# KiCad board Panel_R0.5.1_300x300_2layer_step1.kicad_pcb (continued)
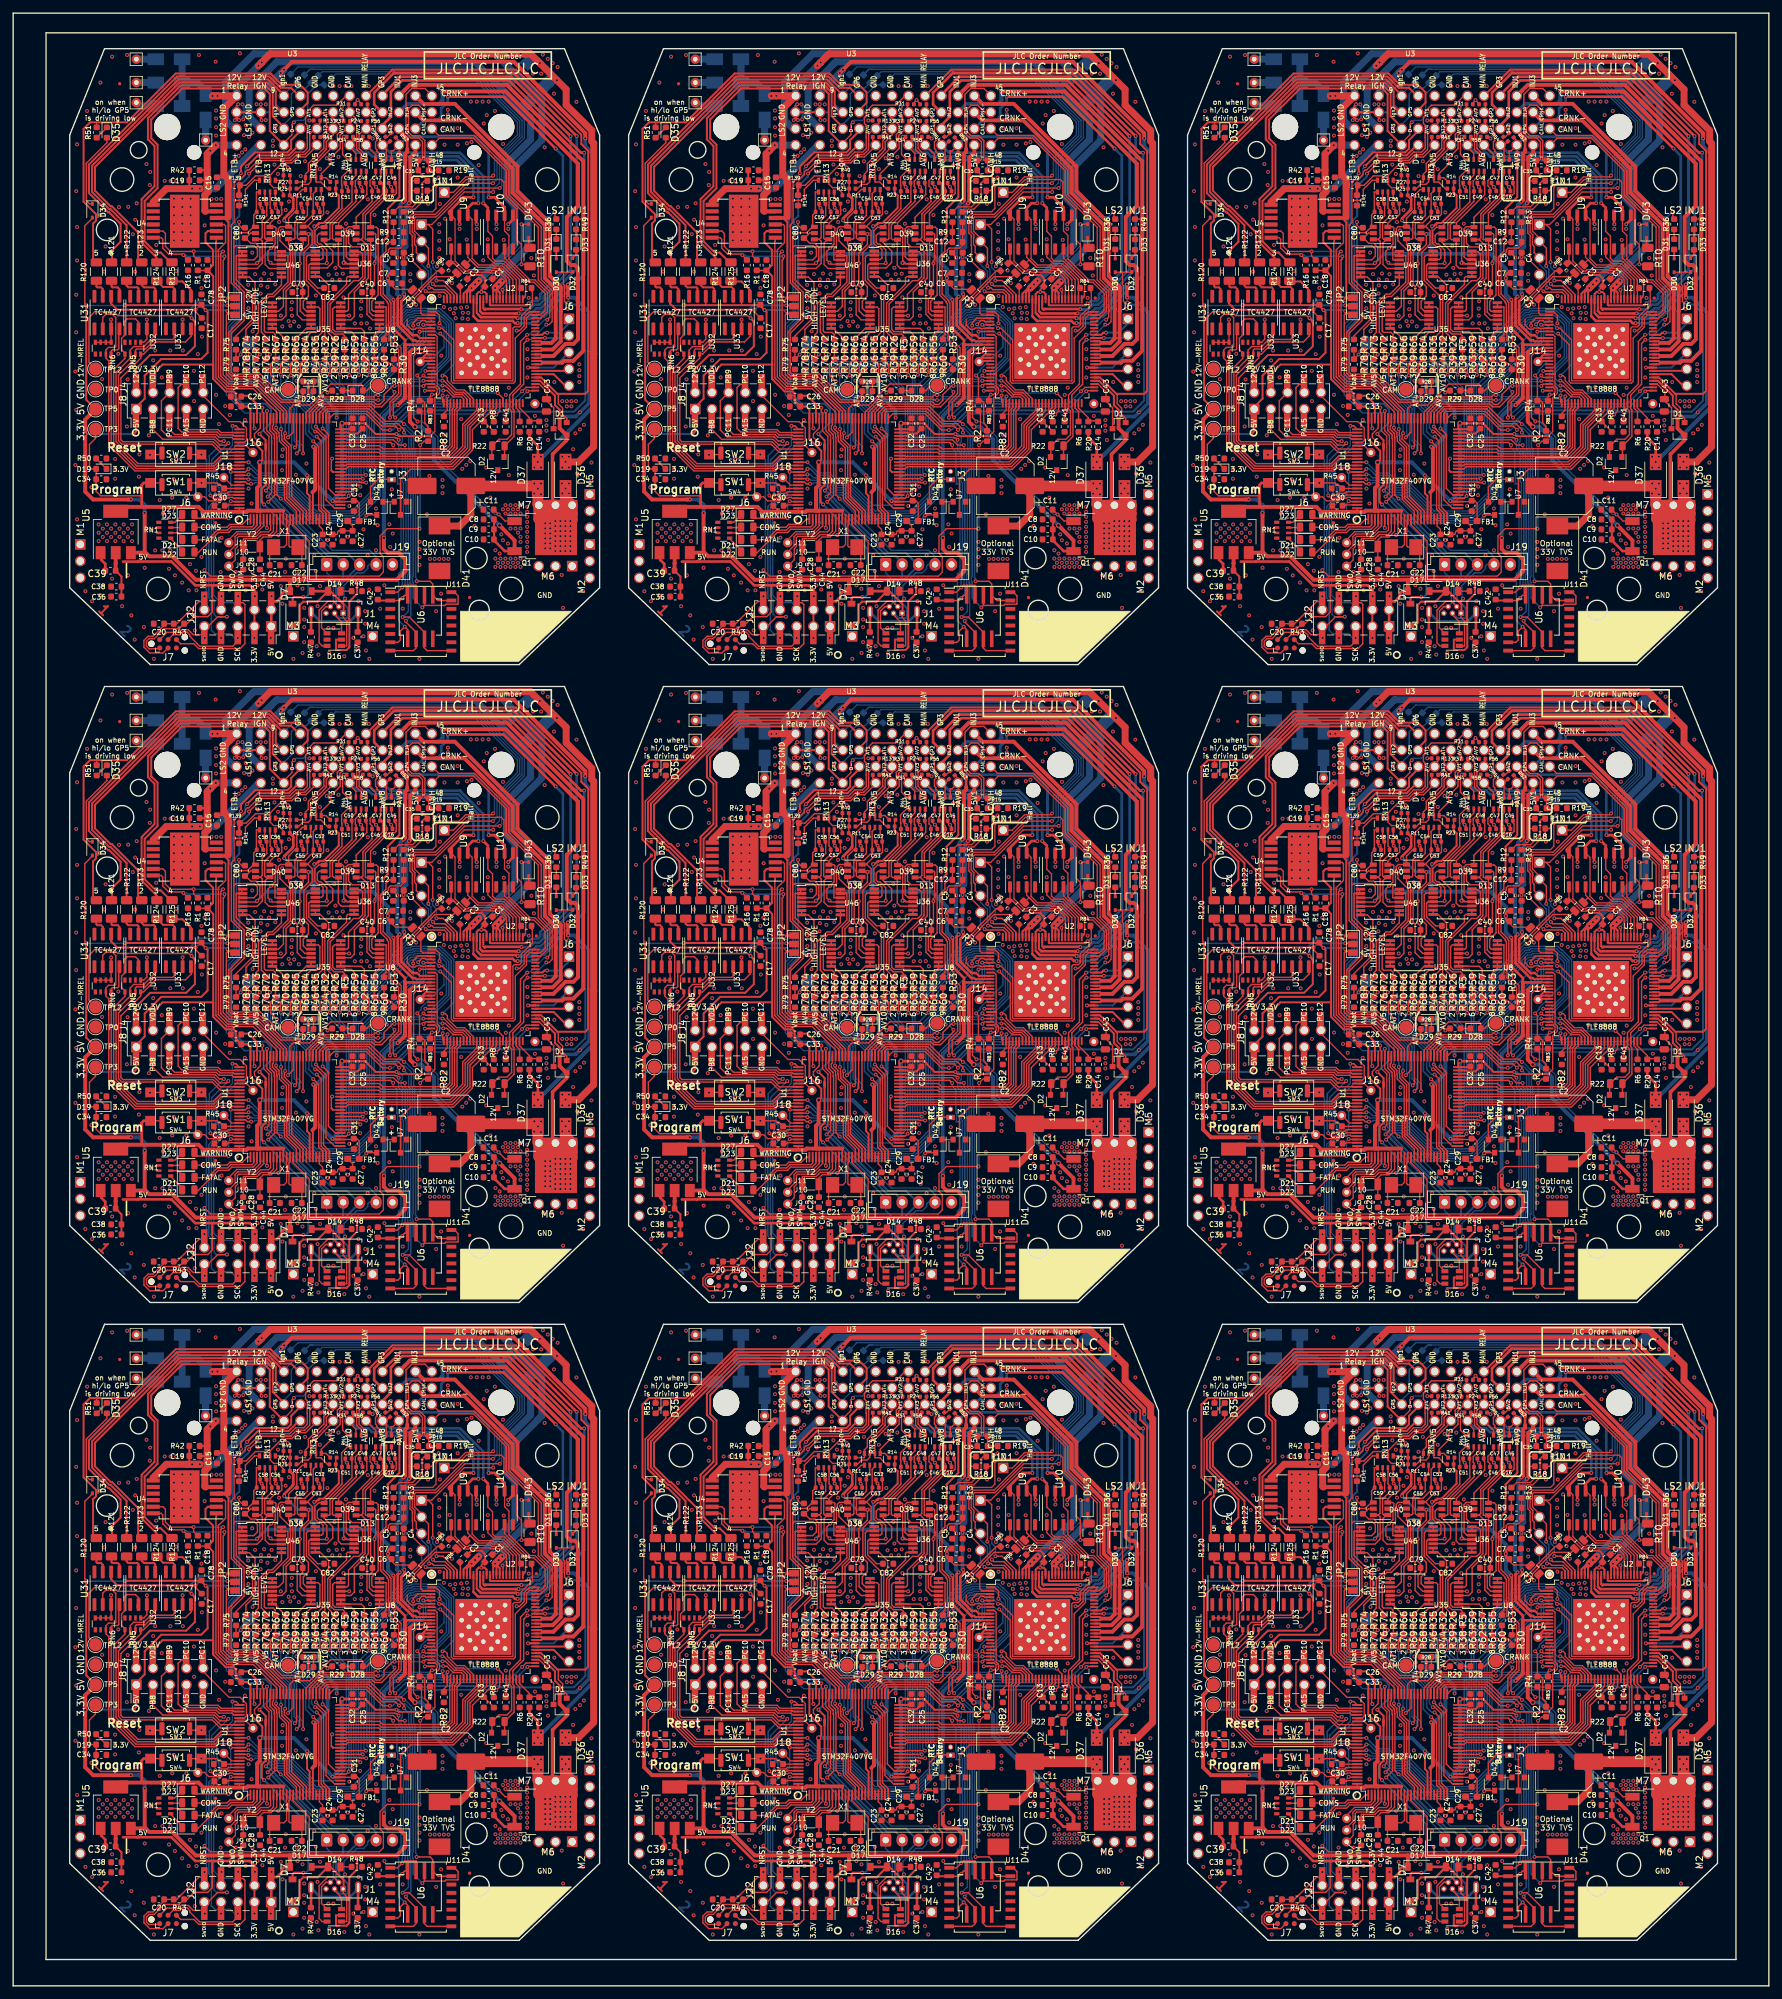
[diagram p0: board, top side]
## Routing (per net, layer and track width the routed paths; a pad name or vN(x,y) marks a point on that pad's centre or on a via; arc(x,y) is an arc through that point) (continued)
/AV4: length 937.4
  Top w0.203: R131#2.1 131.68,283.28 131.17,282.78 U3#2.19 ; R11#2.1 126.11,272.62 125.28,273.45 124.62,273.45 124.07,273.99 RN13#2.2 ; U3#3.19 216.17,282.78 216.68,283.28 R131#3.1 ; R11#3.1 211.11,272.62 210.28,273.45 209.62,273.45 209.07,273.99 RN13#3.2 ; U3#6.19 131.17,185.78 131.68,186.28 R131#6.1 ; R11#6.1 126.11,175.62 125.28,176.45 124.62,176.45 124.07,176.99 124.07,177.59 ; R131#4.1 46.68,186.28 46.17,185.78 U3#4.19 ; R11#4.1 41.11,175.62 40.28,176.45 39.62,176.45 39.07,176.99 39.07,177.59 ; U3#5.19 216.17,185.78 216.68,186.28 R131#5.1 ; R11#5.1 211.11,175.62 210.28,176.45 209.62,176.45 209.07,176.99 209.07,177.59 ; U3#9.19 131.17,88.78 131.68,89.28 R131#9.1 ; R11#9.1 126.11,78.62 125.28,79.45 124.62,79.45 124.07,79.99 124.07,80.59 ; U3#7.19 216.17,88.78 216.68,89.28 R131#8.1 ; R11#8.1 211.11,78.62 210.28,79.45 209.62,79.45 209.07,79.99 209.07,80.59 ; R131#7.1 46.68,89.28 46.17,88.78 U3#8.19 ; R11#7.1 41.11,78.62 40.28,79.45 39.62,79.45 39.07,79.99 39.07,80.59 ; R131.1 46.68,283.28 46.17,282.78 U3.19 ; 39.07,274.59 39.07,273.99 39.62,273.45 40.28,273.45 41.11,272.62 R11.1
  Top w0.216: 127.22,277.59 128.13,278.5 129.34,278.5 130.1,279.27 130.1,281.61 130.9,282.41 ; 127.22,277.59 122.87,277.59 v1(120.88,275.6) ; 127.22,277.59 126.3,277.59 124.07,275.36 RN13#2.2 ; 215.9,282.41 215.1,281.61 215.1,279.27 214.34,278.5 213.13,278.5 212.22,277.59 ; 212.22,277.59 207.87,277.59 v1(205.88,275.6) ; 212.22,277.59 211.3,277.59 209.07,275.36 RN13#3.2 ; 130.9,185.41 130.1,184.61 130.1,182.27 129.34,181.5 128.13,181.5 127.22,180.59 ; 127.22,180.59 122.87,180.59 v1(120.88,178.6) ; 127.22,180.59 126.3,180.59 124.07,178.36 124.07,177.59 ; 42.22,180.59 43.13,181.5 44.34,181.5 45.1,182.27 45.1,184.61 45.9,185.41 ; 42.22,180.59 37.87,180.59 v1(35.88,178.6) ; 42.22,180.59 41.3,180.59 39.07,178.36 39.07,177.59 ; 212.22,180.59 211.3,180.59 209.07,178.36 209.07,177.59 ; 212.22,180.59 207.87,180.59 v1(205.88,178.6) ; 212.22,180.59 213.13,181.5 214.34,181.5 215.1,182.27 215.1,184.61 215.9,185.41 ; 130.9,88.41 130.1,87.61 130.1,85.27 129.34,84.5 128.13,84.5 127.22,83.59 ; 127.22,83.59 126.3,83.59 124.07,81.36 124.07,80.59 ; 127.22,83.59 122.87,83.59 v1(120.88,81.6) ; 209.07,80.59 209.07,81.36 211.3,83.59 212.22,83.59 ; 212.22,83.59 213.13,84.5 214.34,84.5 215.1,85.27 215.1,87.61 215.9,88.41 ; 212.22,83.59 207.87,83.59 v1(205.88,81.6) ; 42.22,83.59 43.13,84.5 44.34,84.5 45.1,85.27 45.1,87.61 45.9,88.41 ; 42.22,83.59 37.87,83.59 v1(35.88,81.6) ; 42.22,83.59 41.3,83.59 39.07,81.36 39.07,80.59 ; 42.22,277.59 37.87,277.59 v1(35.88,275.6) ; 42.22,277.59 43.13,278.5 44.34,278.5 45.1,279.27 45.1,281.61 45.9,282.41 ; 42.22,277.59 41.3,277.59 39.07,275.36 39.07,274.59
  Top w0.305: v1(122.46,235.99) 123.4,235.05 123.4,233.6 ; 123.4,234.31 123.4,233.9 123.4,234.5 123.4,233.6 ; 123.4,233.6 123.4,228.7 ; 123.4,228.7 123.49,228.61 ; 123.4,228.7 123.4,228.24 122.8,227.64 122.8,225.65 v1(123.17,225.28) ; 127.5,210.25 127.5,211 127.7,211.2 v1(129.13,211.2) ; 212.5,210.25 212.5,211 212.7,211.2 v1(214.13,211.2) ; 208.4,228.7 208.4,228.24 207.8,227.64 207.8,225.65 v1(208.17,225.28) ; 208.4,228.7 208.4,233.6 ; 208.4,228.7 208.49,228.61 ; v1(207.46,235.99) 208.4,235.05 208.4,233.6 ; 208.4,233.6 208.4,234.5 208.4,233.9 208.4,234.31 ; 127.5,113.25 127.5,114 127.7,114.2 v1(129.13,114.2) ; 123.4,131.7 123.4,131.24 122.8,130.64 122.8,128.65 v1(123.17,128.28) ; 123.4,131.7 123.4,136.6 ; 123.4,131.7 123.49,131.61 ; v1(122.46,138.99) 123.4,138.05 123.4,136.6 ; 123.4,136.6 123.4,137.5 123.4,136.9 123.4,137.31 ; v1(37.46,138.99) 38.4,138.05 38.4,136.6 ; 38.4,137.31 38.4,136.9 38.4,137.5 38.4,136.6 ; 38.4,136.6 38.4,131.7 ; 38.4,131.7 38.49,131.61 ; 38.4,131.7 38.4,131.24 37.8,130.64 37.8,128.65 v1(38.17,128.28) ; 42.5,113.25 42.5,114 42.7,114.2 v1(44.13,114.2) ; v1(208.17,128.28) 207.8,128.65 207.8,130.64 208.4,131.24 208.4,131.7 ; 212.5,113.25 212.5,114 212.7,114.2 v1(214.13,114.2) ; 208.4,131.7 208.4,136.6 ; 208.4,131.7 208.49,131.61 ; v1(207.46,138.99) 208.4,138.05 208.4,136.6 ; 208.4,136.6 208.4,137.5 208.4,136.9 208.4,137.31 ; v1(122.46,41.99) 123.4,41.05 123.4,39.6 ; 123.4,34.7 123.49,34.61 ; 123.4,34.7 123.4,39.6 ; 123.4,34.7 123.4,34.24 122.8,33.64 122.8,31.65 v1(123.17,31.28) ; 123.4,40.31 123.4,39.9 123.4,40.5 123.4,39.6 ; 127.5,16.25 127.5,17 127.7,17.2 v1(129.13,17.2) ; v1(208.17,31.28) 207.8,31.65 207.8,33.64 208.4,34.24 208.4,34.7 ; 208.4,34.7 208.49,34.61 ; 208.4,34.7 208.4,39.6 ; 212.5,16.25 212.5,17 212.7,17.2 v1(214.13,17.2) ; v1(207.46,41.99) 208.4,41.05 208.4,39.6 ; 208.4,39.6 208.4,40.5 208.4,39.9 208.4,40.31 ; 38.4,39.6 38.4,34.7 ; 38.4,39.6 38.4,40.5 38.4,39.9 38.4,40.31 ; 38.4,39.6 38.4,41.05 v1(37.46,41.99) ; 38.4,34.7 38.49,34.61 ; 38.4,34.7 38.4,34.24 37.8,33.64 37.8,31.65 v1(38.17,31.28) ; 42.5,16.25 42.5,17 42.7,17.2 v1(44.13,17.2) ; 38.4,228.7 38.49,228.61 ; 38.4,228.7 38.4,233.6 ; 38.4,228.7 38.4,228.24 37.8,227.64 37.8,225.65 v1(38.17,225.28) ; 38.4,233.6 38.4,235.05 v1(37.46,235.99) ; 38.4,233.6 38.4,234.5 38.4,233.9 38.4,234.31 ; 42.5,210.25 42.5,211 42.7,211.2 v1(44.13,211.2)
  Bottom w0.305: 119.39,272.39 119.39,272.19 ; 119.39,272.19 119.39,269.16 118.75,268.52 118.75,267.94 119.39,267.3 119.39,253.39 118.2,252.2 118.2,242.28 119.87,240.6 123.39,240.6 124.2,239.79 124.2,237.74 v1(122.46,235.99) ; 119.39,272.19 119.39,273.68 120.88,275.17 v1(120.88,275.6) ; v1(123.17,225.28) 129.9,218.55 129.9,211.59 129.51,211.2 v1(129.13,211.2) ; v1(214.13,211.2) 214.51,211.2 214.9,211.59 214.9,218.55 v1(208.17,225.28) ; v1(205.88,275.6) 205.88,275.17 204.39,273.68 204.39,272.19 ; 204.39,272.19 204.39,269.16 203.75,268.52 203.75,267.94 204.39,267.3 204.39,253.39 203.2,252.2 203.2,242.28 204.87,240.6 208.39,240.6 209.2,239.79 209.2,237.74 v1(207.46,235.99) ; 204.39,272.19 204.39,272.39 ; v1(129.13,114.2) 129.51,114.2 129.9,114.59 129.9,121.55 v1(123.17,128.28) ; v1(120.88,178.6) 120.88,178.17 119.39,176.68 119.39,175.19 ; 119.39,175.19 119.39,172.16 118.75,171.52 118.75,170.94 119.39,170.3 119.39,156.39 118.2,155.2 118.2,145.28 119.87,143.6 123.39,143.6 124.2,142.79 124.2,140.74 v1(122.46,138.99) ; 119.39,175.19 119.39,175.39 ; 34.39,175.39 34.39,175.19 ; 34.39,175.19 34.39,172.16 33.75,171.52 33.75,170.94 34.39,170.3 34.39,156.39 33.2,155.2 33.2,145.28 34.87,143.6 38.39,143.6 39.2,142.79 39.2,140.74 v1(37.46,138.99) ; 34.39,175.19 34.39,176.68 35.88,178.17 v1(35.88,178.6) ; v1(38.17,128.28) 44.9,121.55 44.9,114.59 44.51,114.2 v1(44.13,114.2) ; v1(214.13,114.2) 214.51,114.2 214.9,114.59 214.9,121.55 v1(208.17,128.28) ; 204.39,175.19 204.39,172.16 203.75,171.52 203.75,170.94 204.39,170.3 204.39,156.39 203.2,155.2 203.2,145.28 204.87,143.6 208.39,143.6 209.2,142.79 209.2,140.74 v1(207.46,138.99) ; 204.39,175.19 204.39,176.68 205.88,178.17 v1(205.88,178.6) ; 204.39,175.19 204.39,175.39 ; 119.39,78.39 119.39,78.19 ; 119.39,78.19 119.39,79.68 120.88,81.17 v1(120.88,81.6) ; 119.39,78.19 119.39,75.16 118.75,74.52 118.75,73.94 119.39,73.3 119.39,59.39 118.2,58.2 118.2,48.28 119.87,46.6 123.39,46.6 124.2,45.79 124.2,43.74 v1(122.46,41.99) ; v1(129.13,17.2) 129.51,17.2 129.9,17.59 129.9,24.55 v1(123.17,31.28) ; 204.39,78.19 204.39,75.16 203.75,74.52 203.75,73.94 204.39,73.3 204.39,59.39 203.2,58.2 203.2,48.28 204.87,46.6 208.39,46.6 209.2,45.79 209.2,43.74 v1(207.46,41.99) ; 204.39,78.19 204.39,79.68 205.88,81.17 v1(205.88,81.6) ; 204.39,78.19 204.39,78.39 ; v1(214.13,17.2) 214.51,17.2 214.9,17.59 214.9,24.55 v1(208.17,31.28) ; 34.39,78.19 34.39,79.68 35.88,81.17 v1(35.88,81.6) ; 34.39,78.19 34.39,78.39 ; 34.39,78.19 34.39,75.16 33.75,74.52 33.75,73.94 34.39,73.3 34.39,59.39 33.2,58.2 33.2,48.28 34.87,46.6 38.39,46.6 39.2,45.79 39.2,43.74 v1(37.46,41.99) ; v1(44.13,17.2) 44.51,17.2 44.9,17.59 44.9,24.55 v1(38.17,31.28) ; v1(35.88,275.6) 35.88,275.17 34.39,273.68 34.39,272.19 ; 34.39,272.19 34.39,269.16 33.75,268.52 33.75,267.94 34.39,267.3 34.39,253.39 33.2,252.2 33.2,242.28 34.87,240.6 38.39,240.6 39.2,239.79 39.2,237.74 v1(37.46,235.99) ; 34.39,272.19 34.39,272.39 ; v1(38.17,225.28) 44.9,218.55 44.9,211.59 44.51,211.2 v1(44.13,211.2)
/AV4_MCU: length 278.9
  Top w0.216: R73#2.1 R77#2.2 121.9,247.48 v1(122.52,248.1) 122.52,248.17 ; v1(125.73,236.74) 125.81,236.66 125.81,235.78 125.87,235.72 125.87,235.06 126.92,234.01 126.92,228.65 126.99,228.58 126.99,226.37 129.09,224.27 U1#2.17 ; R73#3.1 R77#3.2 206.9,247.48 v1(207.52,248.1) 207.52,248.17 ; v1(210.73,236.74) 210.81,236.66 210.81,235.78 210.87,235.72 210.87,235.06 211.92,234.01 211.92,228.65 211.99,228.58 211.99,226.37 214.09,224.27 U1#3.17 ; R73#6.1 R77#6.2 121.9,150.48 v1(122.52,151.1) 122.52,151.17 ; v1(125.73,139.74) 125.81,139.66 125.81,138.78 125.87,138.72 125.87,138.06 126.92,137.01 126.92,131.65 126.99,131.58 126.99,129.37 129.09,127.27 U1#6.17 ; R73#4.1 R77#4.2 36.9,150.48 v1(37.52,151.1) 37.52,151.17 ; v1(40.73,139.74) 40.81,139.66 40.81,138.78 40.87,138.72 40.87,138.06 41.92,137.01 41.92,131.65 41.99,131.58 41.99,129.37 44.09,127.27 U1#4.17 ; R73#5.1 R77#5.2 206.9,150.48 v1(207.52,151.1) 207.52,151.17 ; v1(210.73,139.74) 210.81,139.66 210.81,138.78 210.87,138.72 210.87,138.06 211.92,137.01 211.92,131.65 211.99,131.58 211.99,129.37 214.09,127.27 U1#5.17 ; U1#9.17 129.09,30.27 126.99,32.37 126.99,34.58 126.92,34.65 126.92,40.01 125.87,41.06 125.87,41.72 125.81,41.78 125.81,42.66 v1(125.73,42.74) ; 122.52,54.17 v1(122.52,54.1) 121.9,53.48 R77#8.2 R73#8.1 ; R73#7.1 R77#7.2 206.9,53.48 v1(207.52,54.1) 207.52,54.17 ; v1(210.73,42.74) 210.81,42.66 210.81,41.78 210.87,41.72 210.87,41.06 211.92,40.01 211.92,34.65 211.99,34.58 211.99,32.37 214.09,30.27 U1#8.17 ; 37.52,54.17 v1(37.52,54.1) 36.9,53.48 R77#9.2 R73#9.1 ; v1(40.73,42.74) 40.81,42.66 40.81,41.78 40.87,41.72 40.87,41.06 41.92,40.01 41.92,34.65 41.99,34.58 41.99,32.37 44.09,30.27 U1#7.17 ; v1(40.73,236.74) 40.81,236.66 40.81,235.78 40.87,235.72 40.87,235.06 41.92,234.01 41.92,228.65 41.99,228.58 41.99,226.37 44.09,224.27 U1.17 ; R73.1 R77.2 36.9,247.48 v1(37.52,248.1) 37.52,248.17
  Bottom w0.216: v1(125.73,236.74) 125.73,239.79 121.7,243.82 121.7,247.34 122.52,248.17 ; 207.52,248.17 206.7,247.34 206.7,243.82 210.73,239.79 v1(210.73,236.74) ; v1(40.73,139.74) 40.73,142.79 36.7,146.82 36.7,150.34 37.52,151.17 ; 122.52,151.17 121.7,150.34 121.7,146.82 125.73,142.79 v1(125.73,139.74) ; 207.52,151.17 206.7,150.34 206.7,146.82 210.73,142.79 v1(210.73,139.74) ; 122.52,54.17 121.7,53.34 121.7,49.82 125.73,45.79 v1(125.73,42.74) ; 207.52,54.17 206.7,53.34 206.7,49.82 210.73,45.79 v1(210.73,42.74) ; 37.52,54.17 36.7,53.34 36.7,49.82 40.73,45.79 v1(40.73,42.74) ; 37.52,248.17 36.7,247.34 36.7,243.82 40.73,239.79 v1(40.73,236.74)
/AV5: length 107.6
  Top w0.203: R40#2.1 126.11,274.73 125.97,274.59 RN13#2.1 ; 131.68,280.43 U3#2.20 ; R40#3.1 211.11,274.73 210.97,274.59 RN13#3.1 ; 216.68,280.43 U3#3.20 ; R40#6.1 126.11,177.73 125.97,177.59 124.87,177.59 ; 131.68,183.43 U3#6.20 ; R40#4.1 41.11,177.73 40.97,177.59 39.87,177.59 ; 46.68,183.43 U3#4.20 ; R40#5.1 211.11,177.73 210.97,177.59 209.87,177.59 ; 216.68,183.43 U3#5.20 ; R40#9.1 126.11,80.73 125.97,80.59 124.87,80.59 ; 131.68,86.43 U3#9.20 ; R40#8.1 211.11,80.73 210.97,80.59 209.87,80.59 ; 216.68,86.43 U3#7.20 ; R40#7.1 41.11,80.73 40.97,80.59 39.87,80.59 ; 46.68,86.43 U3#8.20 ; RN13.1 40.97,274.59 41.11,274.73 R40.1 ; 46.68,280.43 U3.20
  Top w0.216: R41#2.1 130.73,280.37 U3#2.20 131.17,279.82 129.49,278.13 128.28,278.13 127.37,277.22 126.45,277.22 126.11,276.88 R40#2.1 ; R41#3.1 215.73,280.37 U3#3.20 216.17,279.82 214.49,278.13 213.28,278.13 212.37,277.22 211.45,277.22 211.11,276.88 R40#3.1 ; R41#6.1 130.73,183.37 U3#6.20 131.17,182.82 129.49,181.13 128.28,181.13 127.37,180.22 126.45,180.22 126.11,179.88 R40#6.1 ; R41#4.1 45.73,183.37 U3#4.20 46.17,182.82 44.49,181.13 43.28,181.13 42.37,180.22 41.45,180.22 41.11,179.88 R40#4.1 ; R41#5.1 215.73,183.37 U3#5.20 216.17,182.82 214.49,181.13 213.28,181.13 212.37,180.22 211.45,180.22 211.11,179.88 R40#5.1 ; R41#9.1 130.73,86.37 U3#9.20 131.17,85.82 129.49,84.13 128.28,84.13 127.37,83.22 126.45,83.22 126.11,82.88 R40#9.1 ; R41#8.1 215.73,86.37 U3#7.20 216.17,85.82 214.49,84.13 213.28,84.13 212.37,83.22 211.45,83.22 211.11,82.88 R40#8.1 ; R41#7.1 45.73,86.37 U3#8.20 46.17,85.82 44.49,84.13 43.28,84.13 42.37,83.22 41.45,83.22 41.11,82.88 R40#7.1 ; R40.1 41.11,276.88 41.45,277.22 42.37,277.22 43.28,278.13 44.49,278.13 46.17,279.82 U3.20 45.73,280.37 R41.1
/AV5_MCU: length 283.4
  Top w0.216: 124.05,248.04 v1(124.05,248.1) 124.05,248.04 R76#2.2 R72#2.1 ; v1(126.37,236.13) 126.24,236 126.24,235.22 127.28,234.17 127.28,228.81 127.36,228.74 127.36,226.53 129.59,224.29 U1#2.18 ; 209.05,248.04 v1(209.05,248.1) 209.05,248.04 R76#3.2 R72#3.1 ; v1(211.37,236.13) 211.24,236 211.24,235.22 212.28,234.17 212.28,228.81 212.36,228.74 212.36,226.53 214.59,224.29 U1#3.18 ; 124.05,151.04 v1(124.05,151.1) 124.05,151.04 R76#6.2 R72#6.1 ; v1(126.37,139.13) 126.24,139 126.24,138.22 127.28,137.17 127.28,131.81 127.36,131.74 127.36,129.53 129.59,127.29 U1#6.18 ; 39.05,151.04 v1(39.05,151.1) 39.05,151.04 R76#4.2 R72#4.1 ; v1(41.37,139.13) 41.24,139 41.24,138.22 42.28,137.17 42.28,131.81 42.36,131.74 42.36,129.53 44.59,127.29 U1#4.18 ; 209.05,151.04 v1(209.05,151.1) 209.05,151.04 R76#5.2 R72#5.1 ; v1(211.37,139.13) 211.24,139 211.24,138.22 212.28,137.17 212.28,131.81 212.36,131.74 212.36,129.53 214.59,127.29 U1#5.18 ; U1#9.18 129.59,30.29 127.36,32.53 127.36,34.74 127.28,34.81 127.28,40.17 126.24,41.22 126.24,42 v1(126.37,42.13) ; 209.05,54.04 v1(209.05,54.1) 209.05,54.04 R76#7.2 R72#7.1 ; v1(211.37,42.13) 211.24,42 211.24,41.22 212.28,40.17 212.28,34.81 212.36,34.74 212.36,32.53 214.59,30.29 U1#8.18 ; 39.05,54.04 v1(39.05,54.1) 39.05,54.04 R76#9.2 R72#9.1 ; v1(41.37,42.13) 41.24,42 41.24,41.22 42.28,40.17 42.28,34.81 42.36,34.74 42.36,32.53 44.59,30.29 U1#7.18 ; 124.05,54.04 v1(124.05,54.1) 124.05,54.04 R76#8.2 R72#8.1 ; R72.1 R76.2 39.05,248.04 v1(39.05,248.1) 39.05,248.04 ; v1(41.37,236.13) 41.24,236 41.24,235.22 42.28,234.17 42.28,228.81 42.36,228.74 42.36,226.53 44.59,224.29 U1.18
  Bottom w0.216: v1(126.37,236.13) 126.37,239.67 122.1,243.94 122.1,246.08 124.05,248.04 ; v1(211.37,236.13) 211.37,239.67 207.1,243.94 207.1,246.08 209.05,248.04 ; v1(126.37,139.13) 126.37,142.67 122.1,146.94 122.1,149.09 124.05,151.04 ; v1(41.37,139.13) 41.37,142.67 37.1,146.94 37.1,149.09 39.05,151.04 ; v1(211.37,139.13) 211.37,142.67 207.1,146.94 207.1,149.09 209.05,151.04 ; 124.05,54.04 122.1,52.08 122.1,49.94 126.37,45.67 v1(126.37,42.13) ; v1(211.37,42.13) 211.37,45.67 207.1,49.94 207.1,52.08 209.05,54.04 ; v1(41.37,42.13) 41.37,45.67 37.1,49.94 37.1,52.08 39.05,54.04 ; v1(41.37,236.13) 41.37,239.67 37.1,243.94 37.1,246.08 39.05,248.04
/AV6: length 434.1
  Top w0.203: U9#2.6 154.8,268.61 154.8,262.7 155.8,261.7 157.9,261.7 158.06,261.55 159.44,261.55 161.5,259.49 U2#2.78 ; U2#3.78 246.5,259.49 244.44,261.55 243.06,261.55 242.9,261.7 240.8,261.7 239.8,262.7 239.8,268.61 U9#3.6 ; U2#6.78 161.5,162.49 159.44,164.55 158.06,164.55 157.9,164.7 155.8,164.7 154.8,165.7 154.8,171.61 154.13,172.28 ; 69.14,172.28 69.8,171.61 69.8,165.7 70.8,164.7 72.9,164.7 73.06,164.55 74.44,164.55 76.5,162.49 U2#4.78 ; 239.13,172.28 239.8,171.61 239.8,165.7 240.8,164.7 242.9,164.7 243.06,164.55 244.44,164.55 246.5,162.49 U2#5.78 ; U2#8.78 246.5,65.49 244.44,67.55 243.06,67.55 242.9,67.7 240.8,67.7 239.8,68.7 239.8,74.61 U9#8.6 ; U9#7.6 69.8,74.61 69.8,68.7 70.8,67.7 72.9,67.7 73.06,67.55 74.44,67.55 76.5,65.49 U2#7.78 ; U2#9.78 161.5,65.49 159.44,67.55 158.06,67.55 157.9,67.7 155.8,67.7 154.8,68.7 154.8,74.61 U9#9.6 ; U9.6 69.8,268.61 69.8,262.7 70.8,261.7 72.9,261.7 73.06,261.55 74.44,261.55 76.5,259.49 U2.78
  Top w0.216: R58#2.1 138.17,280.43 U3#2.32 140.13,278.48 RN2#2.4 ; RN2#3.4 225.13,278.48 U3#3.32 223.17,280.43 R58#3.1 ; RN2#6.4 140.13,181.48 U3#6.32 138.17,183.43 R58#6.1 ; R58#4.1 53.17,183.43 U3#4.32 55.13,181.48 RN2#4.4 ; RN2#5.4 225.13,181.48 U3#5.32 223.17,183.43 R58#5.1 ; RN2#8.4 225.13,84.48 U3#7.32 223.17,86.43 R58#8.1 ; R58#7.1 53.17,86.43 U3#8.32 55.13,84.48 RN2#7.4 ; RN2#9.4 140.13,84.48 U3#9.32 138.17,86.43 R58#9.1 ; R58.1 53.17,280.43 U3.32 55.13,278.48 RN2.4
  Top w0.406: U9#2.6 154.13,270.36 154.88,271.1 v1(155.75,271.1) ; v1(240.75,271.1) 239.88,271.1 239.13,270.36 U9#3.6 ; v1(155.75,174.1) 154.88,174.1 154.13,173.36 154.13,172.28 ; 69.14,172.28 69.14,173.36 69.88,174.1 v1(70.75,174.1) ; v1(240.75,174.1) 239.88,174.1 239.13,173.36 239.13,172.28 ; U9#8.6 239.13,76.36 239.88,77.1 v1(240.75,77.1) ; v1(70.75,77.1) 69.88,77.1 69.14,76.36 U9#7.6 ; v1(155.75,77.1) 154.88,77.1 154.13,76.36 U9#9.6 ; U9.6 69.14,270.36 69.88,271.1 v1(70.75,271.1)
  Bottom w0.406: U3#2.32 139.83,278.78 141.32,278.78 141.88,278.22 152.72,278.22 155.75,275.19 v1(155.75,271.1) ; U3#3.32 224.83,278.78 226.32,278.78 226.88,278.22 237.72,278.22 240.75,275.19 v1(240.75,271.1) ; U3#6.32 139.83,181.78 141.32,181.78 141.88,181.22 152.72,181.22 155.75,178.19 v1(155.75,174.1) ; U3#4.32 54.83,181.78 56.32,181.78 56.88,181.22 67.72,181.22 70.75,178.19 v1(70.75,174.1) ; U3#5.32 224.83,181.78 226.32,181.78 226.88,181.22 237.72,181.22 240.75,178.19 v1(240.75,174.1) ; v1(240.75,77.1) 240.75,81.19 237.72,84.22 226.88,84.22 226.32,84.78 224.83,84.78 U3#7.32 ; U3#8.32 54.83,84.78 56.32,84.78 56.88,84.22 67.72,84.22 70.75,81.19 v1(70.75,77.1) ; U3#9.32 139.83,84.78 141.32,84.78 141.88,84.22 152.72,84.22 155.75,81.19 v1(155.75,77.1) ; v1(70.75,271.1) 70.75,275.19 67.72,278.22 56.88,278.22 56.32,278.78 54.83,278.78 U3.32
/AV6_MCU: length 416
  Top w0.216: U1#2.33 137.58,228.22 v1(137.8,228) ; R86.2 151.94,259.92 149.16,259.92 147.08,257.85 147.08,257.7 146.04,256.66 146.04,256.33 v1(145.15,255.43) ; R59#2.1 R63#2.2 ; R63#2.2 137.52,248 v1(137.52,248.04) ; R63#2.2 136.9,247.18 137.64,246.45 137.64,245.04 v1(137.6,245) ; U1#3.33 222.58,228.22 v1(222.8,228) ; v1(222.6,245) 222.64,245.04 222.64,246.45 221.9,247.18 R63#3.2 ; v1(222.52,248.04) 222.52,248 R63#3.2 ; v1(230.15,255.43) 231.04,256.33 231.04,256.66 232.08,257.7 232.08,257.85 234.16,259.92 236.94,259.92 R86#2.2 ; R63#3.2 R59#3.1 ; U1#6.33 137.58,131.22 v1(137.8,131) ; v1(137.6,148) 137.64,148.04 137.64,149.45 136.9,150.18 R63#6.2 ; v1(137.52,151.04) 137.52,151 R63#6.2 ; v1(145.15,158.43) 146.04,159.33 146.04,159.66 147.08,160.7 147.08,160.85 149.16,162.92 151.94,162.92 R86#5.2 ; R63#6.2 R59#6.1 ; U1#4.33 52.58,131.22 v1(52.8,131) ; R86#3.2 66.94,162.92 64.16,162.92 62.08,160.85 62.08,160.7 61.04,159.66 61.04,159.33 v1(60.15,158.43) ; R59#4.1 R63#4.2 ; R63#4.2 52.52,151 v1(52.52,151.04) ; R63#4.2 51.9,150.18 52.64,149.45 52.64,148.04 v1(52.6,148) ; U1#5.33 222.58,131.22 v1(222.8,131) ; v1(222.6,148) 222.64,148.04 222.64,149.45 221.9,150.18 R63#5.2 ; v1(222.52,151.04) 222.52,151 R63#5.2 ; v1(230.15,158.43) 231.04,159.33 231.04,159.66 232.08,160.7 232.08,160.85 234.16,162.92 236.94,162.92 R86#4.2 ; R63#5.2 R59#5.1 ; U1#8.33 222.58,34.22 v1(222.8,34) ; v1(222.52,54.04) 222.52,54 R63#8.2 ; R63#8.2 221.9,53.18 222.64,52.45 222.64,51.04 v1(222.6,51) ; R63#8.2 R59#7.1 ; R86#6.2 236.94,65.92 234.16,65.92 232.08,63.85 232.08,63.7 231.04,62.66 231.04,62.33 v1(230.15,61.43) ; U1#7.33 52.58,34.22 v1(52.8,34) ; R86#7.2 66.94,65.92 64.16,65.92 62.08,63.85 62.08,63.7 61.04,62.66 61.04,62.33 v1(60.15,61.43) ; v1(52.52,54.04) 52.52,54 R63#7.2 ; v1(52.6,51) 52.64,51.04 52.64,52.45 51.9,53.18 R63#7.2 ; R63#7.2 R59#9.1 ; v1(137.6,51) 137.64,51.04 137.64,52.45 136.9,53.18 R63#9.2 ; U1#9.33 137.58,34.22 v1(137.8,34) ; v1(137.52,54.04) 137.52,54 R63#9.2 ; R86#8.2 151.94,65.92 149.16,65.92 147.08,63.85 147.08,63.7 146.04,62.66 146.04,62.33 v1(145.15,61.43) ; R59#8.1 R63#9.2 ; v1(52.8,228) 52.58,228.22 U1.33 ; R86#9.2 66.94,259.92 64.16,259.92 62.08,257.85 62.08,257.7 61.04,256.66 61.04,256.33 v1(60.15,255.43) ; R59.1 R63.2 ; R63.2 52.52,248 v1(52.52,248.04) ; R63.2 51.9,247.18 52.64,246.45 52.64,245.04 v1(52.6,245)
  Bottom w0.216: v1(145.15,255.43) 144.87,255.43 142.99,253.55 142.99,253.17 137.85,248.04 v1(137.52,248.04) ; v1(137.8,228) 137.15,228.65 137.15,244.55 v1(137.6,245) ; v1(222.8,228) 222.15,228.65 222.15,244.55 v1(222.6,245) ; v1(222.52,248.04) 222.85,248.04 227.99,253.17 227.99,253.55 229.87,255.43 v1(230.15,255.43) ; v1(137.8,131) 137.15,131.65 137.15,147.55 v1(137.6,148) ; v1(137.52,151.04) 137.85,151.04 142.99,156.17 142.99,156.55 144.87,158.43 v1(145.15,158.43) ; v1(60.15,158.43) 59.87,158.43 57.99,156.55 57.99,156.17 52.85,151.04 v1(52.52,151.04) ; v1(52.8,131) 52.15,131.65 52.15,147.55 v1(52.6,148) ; v1(222.8,131) 222.15,131.65 222.15,147.55 v1(222.6,148) ; v1(222.52,151.04) 222.85,151.04 227.99,156.17 227.99,156.55 229.87,158.43 v1(230.15,158.43) ; v1(222.8,34) 222.15,34.65 222.15,50.55 v1(222.6,51) ; v1(222.52,54.04) 222.85,54.04 227.99,59.17 227.99,59.55 229.87,61.43 v1(230.15,61.43) ; v1(52.52,54.04) 52.85,54.04 57.99,59.17 57.99,59.55 59.87,61.43 v1(60.15,61.43) ; v1(52.8,34) 52.15,34.65 52.15,50.55 v1(52.6,51) ; v1(145.15,61.43) 144.87,61.43 142.99,59.55 142.99,59.17 137.85,54.04 v1(137.52,54.04) ; v1(137.6,51) 137.15,50.55 137.15,34.65 v1(137.8,34) ; v1(60.15,255.43) 59.87,255.43 57.99,253.55 57.99,253.17 52.85,248.04 v1(52.52,248.04) ; v1(52.8,228) 52.15,228.65 52.15,244.55 v1(52.6,245)
/AV7: length 87.1
  Top w0.216: R56#2.1 138.89,285.15 U3#2.30 138.85,284.93 140.06,283.73 140.06,282.79 140.11,282.74 140.11,281.92 140.31,281.73 140.31,281.42 140.29,281.4 140.29,280.72 140.31,280.69 140.31,280.64 140.11,280.44 140.11,279.42 140.31,279.23 140.31,279 140.93,278.38 RN2#2.3 ; R56#3.1 223.89,285.15 U3#3.30 223.85,284.93 225.06,283.73 225.06,282.79 225.11,282.74 225.11,281.92 225.31,281.73 225.31,281.42 225.29,281.4 225.29,280.72 225.31,280.69 225.31,280.64 225.11,280.44 225.11,279.42 225.31,279.23 225.31,279 225.93,278.38 RN2#3.3 ; R56#6.1 138.89,188.15 U3#6.30 138.85,187.93 140.06,186.73 140.06,185.79 140.11,185.74 140.11,184.92 140.31,184.73 140.31,184.42 140.29,184.4 140.29,183.72 140.31,183.69 140.31,183.64 140.11,183.44 140.11,182.42 140.31,182.23 140.31,182 140.93,181.38 RN2#6.3 ; R56#4.1 53.89,188.15 U3#4.30 53.85,187.93 55.06,186.73 55.06,185.79 55.11,185.74 55.11,184.92 55.31,184.73 55.31,184.42 55.29,184.4 55.29,183.72 55.31,183.69 55.31,183.64 55.11,183.44 55.11,182.42 55.31,182.23 55.31,182 55.93,181.38 RN2#4.3 ; R56#5.1 223.89,188.15 U3#5.30 223.85,187.93 225.06,186.73 225.06,185.79 225.11,185.74 225.11,184.92 225.31,184.73 225.31,184.42 225.29,184.4 225.29,183.72 225.31,183.69 225.31,183.64 225.11,183.44 225.11,182.42 225.31,182.23 225.31,182 225.93,181.38 RN2#5.3 ; R56#9.1 138.89,91.15 U3#9.30 138.85,90.93 140.06,89.73 140.06,88.79 140.11,88.74 140.11,87.92 140.31,87.73 140.31,87.42 140.29,87.4 140.29,86.72 140.31,86.69 140.31,86.64 140.11,86.44 140.11,85.42 140.31,85.23 140.31,85 140.93,84.38 RN2#9.3 ; R56#8.1 223.89,91.15 U3#7.30 223.85,90.93 225.06,89.73 225.06,88.79 225.11,88.74 225.11,87.92 225.31,87.73 225.31,87.42 225.29,87.4 225.29,86.72 225.31,86.69 225.31,86.64 225.11,86.44 225.11,85.42 225.31,85.23 225.31,85 225.93,84.38 RN2#8.3 ; R56#7.1 53.89,91.15 U3#8.30 53.85,90.93 55.06,89.73 55.06,88.79 55.11,88.74 55.11,87.92 55.31,87.73 55.31,87.42 55.29,87.4 55.29,86.72 55.31,86.69 55.31,86.64 55.11,86.44 55.11,85.42 55.31,85.23 55.31,85 55.93,84.38 RN2#7.3 ; RN2.3 55.93,278.38 55.31,279 55.31,279.23 55.11,279.42 55.11,280.44 55.31,280.64 55.31,280.69 55.29,280.72 55.29,281.4 55.31,281.42 55.31,281.73 55.11,281.92 55.11,282.74 55.06,282.79 55.06,283.73 53.85,284.93 U3.30 53.89,285.15 R56.1
/AV7_MCU: length 237.5
  Top w0.216: R57#2.1 R62#2.2 138.88,247.39 139.14,247.13 139.14,245.49 139.19,245.43 v1(139.19,245.01) ; v1(138.68,228.61) 138.02,228.61 137.97,228.66 137.67,228.66 137.61,228.72 U1#2.34 ; R57#3.1 R62#3.2 223.88,247.39 224.14,247.13 224.14,245.49 224.19,245.43 v1(224.19,245.01) ; v1(223.68,228.61) 223.02,228.61 222.97,228.66 222.67,228.66 222.61,228.72 U1#3.34 ; R57#6.1 R62#6.2 138.88,150.39 139.14,150.13 139.14,148.49 139.19,148.43 v1(139.19,148.01) ; v1(138.68,131.61) 138.02,131.61 137.97,131.66 137.67,131.66 137.61,131.72 U1#6.34 ; R57#4.1 R62#4.2 53.88,150.39 54.14,150.13 54.14,148.49 54.19,148.43 v1(54.19,148.01) ; v1(53.68,131.61) 53.02,131.61 52.97,131.66 52.67,131.66 52.61,131.72 U1#4.34 ; R57#5.1 R62#5.2 223.88,150.39 224.14,150.13 224.14,148.49 224.19,148.43 v1(224.19,148.01) ; v1(223.68,131.61) 223.02,131.61 222.97,131.66 222.67,131.66 222.61,131.72 U1#5.34 ; v1(223.68,34.61) 223.02,34.61 222.97,34.66 222.67,34.66 222.61,34.72 U1#8.34 ; R57#8.1 R62#8.2 223.88,53.39 224.14,53.13 224.14,51.49 224.19,51.43 v1(224.19,51.01) ; R57#7.1 R62#7.2 53.88,53.39 54.14,53.13 54.14,51.49 54.19,51.43 v1(54.19,51.01) ; v1(53.68,34.61) 53.02,34.61 52.97,34.66 52.67,34.66 52.61,34.72 U1#7.34 ; R57#9.1 R62#9.2 138.88,53.39 139.14,53.13 139.14,51.49 139.19,51.43 v1(139.19,51.01) ; v1(138.68,34.61) 138.02,34.61 137.97,34.66 137.67,34.66 137.61,34.72 U1#9.34 ; v1(54.19,245.01) 54.19,245.43 54.14,245.49 54.14,247.13 53.88,247.39 R62.2 R57.1 ; v1(53.68,228.61) 53.02,228.61 52.97,228.66 52.67,228.66 52.61,228.72 U1.34
  Bottom w0.216: v1(139.19,245.01) 137.51,243.33 137.51,229.05 137.96,228.61 v1(138.68,228.61) ; v1(224.19,245.01) 222.51,243.33 222.51,229.05 222.96,228.61 v1(223.68,228.61) ; v1(139.19,148.01) 137.51,146.33 137.51,132.05 137.96,131.61 v1(138.68,131.61) ; v1(54.19,148.01) 52.51,146.33 52.51,132.05 52.96,131.61 v1(53.68,131.61) ; v1(223.68,131.61) 222.96,131.61 222.51,132.05 222.51,146.33 v1(224.19,148.01) ; v1(223.68,34.61) 222.96,34.61 222.51,35.05 222.51,49.33 v1(224.19,51.01) ; v1(54.19,51.01) 52.51,49.33 52.51,35.05 52.96,34.61 v1(53.68,34.61) ; v1(139.19,51.01) 137.51,49.33 137.51,35.05 137.96,34.61 v1(138.68,34.61) ; v1(54.19,245.01) 52.51,243.33 52.51,229.05 52.96,228.61 v1(53.68,228.61)